# Altium PCB CameraControler0.5.PcbDoc (part 2 of 3)
Units mm, origin at the board's own origin, x right, y up, seen from the top; angles counter-clockwise.
Board outline 140 x 112 mm, 2 copper layers (Top Layer, Bottom Layer); 294 components, 219 nets, 919 pads, 337 vias.
Unrouted connection lines stored in the file: 194.
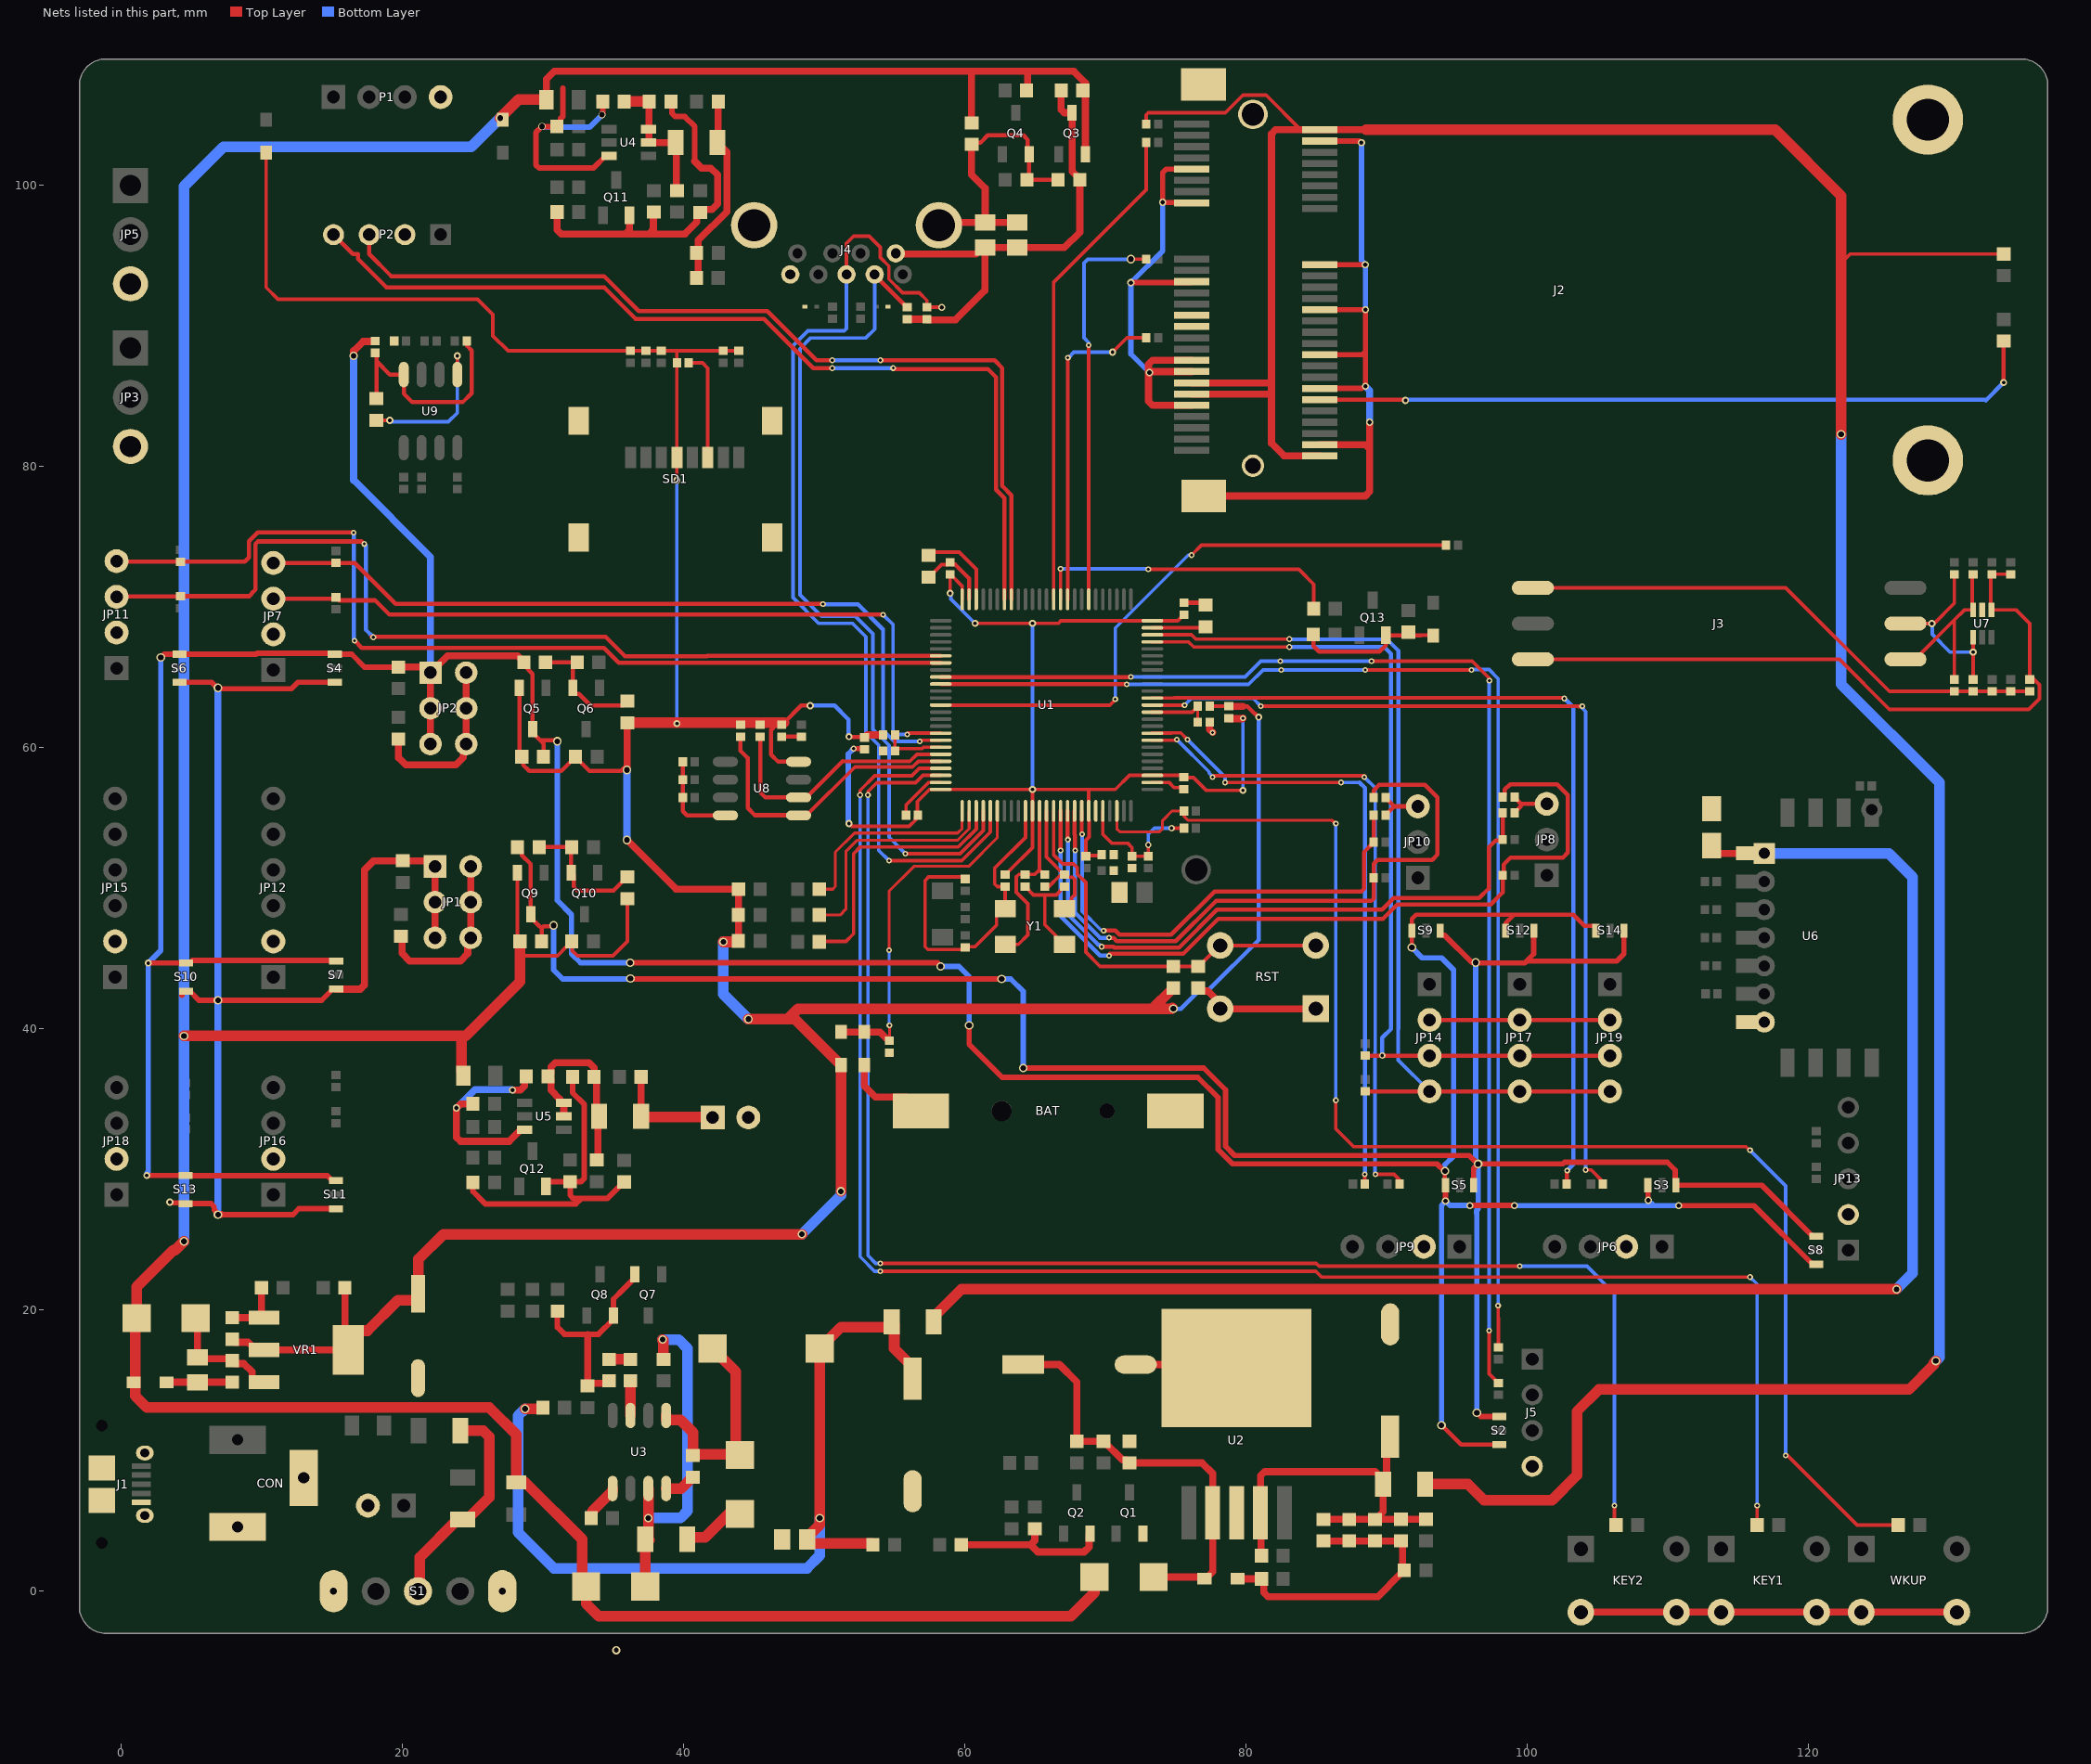
[diagram p2: the nets of this part, all layers, seen from the top]

## Via types
v1: diameter 0.406, hole 0.203, Top Layer to Bottom Layer, 143 vias
v2: diameter 0.6, hole 0.35, Top Layer to Bottom Layer, 60 vias
v3: diameter 0.61, hole 0.406, Top Layer to Bottom Layer, 42 vias
v4: diameter 0.508, hole 0.254, Top Layer to Bottom Layer, 33 vias
v5: diameter 0.457, hole 0.254, Top Layer to Bottom Layer, 26 vias
v6: diameter 0.508, hole 0.305, Top Layer to Bottom Layer, 20 vias
v7: diameter 0.406, hole 0.2, Top Layer to Bottom Layer, 7 vias
v8: diameter 4, hole 3, Top Layer to Bottom Layer, 4 vias
v9: diameter 0.508, hole 0.406, Top Layer to Bottom Layer, 2 vias

## Nets (pads, with @x,y where several pads share a name; then routed paths per layer and width w, separated by ;. In a path a pad name is that pad's centre, name@x,y a point inside that pad or via, vN(x,y) a via of type N, cw(c..) or ccw(c..) an arc to the next point about the centre after c; other vN are vias at no path point)
+3.3V_VCC: C18.1 C20.2 C21.1 C32.2 C50.1 D1.1 D3.1 LED1.A LED2.A LED3.A Q5.2 R2.1 R7.1 R9.1 R15.1 R16.1 R20.1 R21.1 R22.1 R23.1 R24.1 R42.2 R44.2 R123.1 R124.1 R126.2 SD1.4 U8.8 VR1.2 | length 268.5
  Top Layer w0.254: D3.1@10.287,102.325 10.287,92.744 11.134,91.897 25.324,91.897 26.416,90.805 26.416,89.302 27.485,88.233 R20.1@36.196,88.233 R22.1@38.396,88.233 39.496,88.233 ; v4(39.496,79.038) SD1.4@39.496,80.652 C18.1@39.496,87.383 39.496,88.233 ; R24.1@43.896,88.233 R23.1@42.796,88.233 39.496,88.233 ; R9.1@77.39,62.961 R15.1@78.74,62.961
  Top Layer w0.3: Q5.2@28.289,64.265 28.289,59.3 28.554,59.034 28.554,58.784 28.985,58.354 31.288,58.354 R42.2@32.279,59.345 ; R42.2@32.279,59.37 R42.2@32.279,59.345 ; v3@35.773,58.588 35.539,58.354 33.27,58.354 R42.2@32.279,59.345 ; 46.566,61.641 46.185,61.26 46.185,59.521 46.703,59.003 U8.8@48.15,59.003 ; C50.1@47.105,61.775 48.33,63 v4(48.979,63) ; v4(51.739,60.791) 51.767,60.763 52.804,60.763 R16.1@52.832,60.735
  Top Layer w0.305: v3@74.745,41.496 v3(74.803,41.438) ; 79.756,62.936 80.067,62.936 80.467,62.536 v4(80.873,62.177)
  Top Layer w0.5: C20.2@7.874,17.928 8.089,17.713 8.986,17.713 9.531,17.168 VR1.2@10.131,17.168 VR1.2@16.131,17.168 15.883,17.416 R126.2@15.883,21.59
  Top Layer w0.508: v3(35.948,53.436) 39.445,49.939 LED1.A@43.883,49.939 43.874,49.93 43.874,46.266 LED3.A@43.864,46.256 ; v3@35.955,58.434 35.955,61.76 C32.2@35.97,61.775 ; R16.1@52.832,60.735 52.857,60.735 53.036,60.914 R7.1@54.157,60.914 ; R15.1@78.74,62.961 78.765,62.936 79.756,62.936
  Top Layer w0.762: VR1.2@16.131,17.168 16.131,17.818 16.85,18.537 17.5,18.537 19.664,20.701 C21.1@20.832,20.701 ; C21.1@21.082,21.161 21.116,21.195 21.116,23.622 22.881,25.387 48.374,25.387 v3(48.387,25.4) ; C32.2@35.97,61.775 R124.1@45.29,61.775 ; v3(42.799,46.194) 43.802,46.194 LED3.A@43.864,46.256 ; v3(44.581,40.698) 47.371,40.698 ; R124.1@45.556,61.775 C50.1@47.105,61.775 ; v3(51.162,28.448) D1.1@51.162,37.428 51.162,37.513 51.128,37.547 51.043,37.547 47.892,40.698 47.371,40.698 ; R2.1@74.689,42.799 73.315,41.425 ; v3@74.745,41.496 74.673,41.425 73.315,41.425 ; 47.371,40.698 48.098,41.425 73.315,41.425
  Bottom Layer w0.254: v4(39.496,79.038) v4(39.497,61.722) v4(39.497,61.722)
  Bottom Layer w0.3: v4(48.979,63) 50.719,63 51.689,62.029 51.689,60.946 51.699,60.936 51.699,60.831 v4(51.739,60.791)
  Bottom Layer w0.305: v3(74.803,41.438) 75.347,41.438 76.708,42.799 77.343,42.799 80.873,46.329 v4(80.873,62.177)
  Bottom Layer w0.508: v3(35.941,58.42) 35.948,58.413 v3(35.948,53.436)
  Bottom Layer w0.762: v3(42.799,46.194) 42.799,42.48 v3(44.581,40.698) ; v3(48.387,25.4) 51.162,28.175 v3(51.162,28.448)
+3.3V_VCC_4G: J2.2 J2.39 J2.41 J2.52 R28.2 R72.2 R75.1 | length 234.4
  Top Layer w0.254: R75.1@72.886,104.361 72.886,105.023 73.035,105.171 78.501,105.171 79.756,106.426 81.402,106.426 83.867,103.961 ; 122.301,94.488 122.936,95.123 R72.2@133.858,95.123
  Top Layer w0.5: J2.41@76.117,85.161 81.717,85.161 81.788,85.09 ; J2.39@76.117,85.961 81.679,85.961 81.788,85.852 ; J2.52@85.217,80.761 82.677,80.761 81.788,81.65 81.788,85.09 ; 88.519,103.961 J2.2@85.217,103.961 83.867,103.961 82.081,103.961 81.788,103.668 81.788,85.852 ; 81.788,85.09 81.788,85.852
  Top Layer w0.762: 88.519,103.961 117.602,103.961 122.301,99.262 122.301,94.488 v3(122.301,82.296) ; R28.2@92.699,7.618 95.76,7.618 96.901,6.477 101.727,6.477 103.505,8.255 103.505,12.79 105.066,14.351 127.127,14.351 128.905,16.129 128.905,16.256 v3(129.032,16.383)
  Bottom Layer w0.762: v3(122.301,82.296) 122.301,64.516 129.286,57.531 129.286,16.637 v3(129.032,16.383)
+3.3V_VCC_OUT3.3: C36.2 JP2.1 JP2.3 JP2.5 Q5.3 R44.1 R54.2 R101.1 S2.1 S3.1 S4.1 S5.1 S6.1 S7.1 S8.1 S9.1 S10.1 S11.1 S12.1 S13.1 S14.1 | length 308.9
  Top Layer w0.254: v6(110.744,27.432) 110.998,27.432
  Top Layer w0.3: C36.2@28.613,66.084 28.613,65.873 29.239,65.248 Q5.3@29.239,61.315 29.239,61.065 29.782,60.522 29.797,60.522 ; R44.1@30.009,59.37 30.009,60.31 29.797,60.522 ; v3@30.835,60.522 29.797,60.522 ; v3(91.769,45.791) 91.771,45.794 91.771,46.988 S9.1@91.774,46.99 91.774,47.84 92.066,48.133 99.05,48.133 ; v3(93.875,11.811) 95.256,10.43 S2.1@97.99,10.43 ; v3(94.121,29.892) 94.121,28.921 S5.1@94.16,28.883 ; 98.441,47.498 98.441,47.524 99.05,48.133 ; S14.1@104.855,46.99 104.855,47.24 104.755,47.34 104.044,47.34 103.251,48.133 99.05,48.133
  Top Layer w0.381: v4(1.794,29.575) S13.1@4.552,29.575 4.57,29.558 14.643,29.558 14.99,29.211 S11.1@15.24,29.211 ; v4(1.905,44.688) S10.1@4.6,44.688 4.85,44.688 5.043,44.881 15.218,44.881 S7.1@15.268,44.831 ; v3(2.794,66.421) 3.032,66.659 S6.1@4.118,66.659 9.576,66.659 9.642,66.725 14.851,66.725 14.917,66.659 S4.1@15.167,66.659 16.369,66.659 17.286,65.742 R54.2@19.689,65.742 ; v3@30.835,60.522 30.929,60.522 v3(30.988,60.463) ; v3(36.167,44.704) 58.038,44.704 58.261,44.481 v3(58.261,44.453) ; v3(60.286,40.259) 60.286,38.901 62.624,36.563 76.543,36.563 77.982,35.125 77.982,31.429 79.014,30.397 93.554,30.397 94.06,29.892 v3(94.121,29.892) ; v6(94.16,27.76) S5.1@94.16,28.883 ; v6(95.885,27.441) 99.051,27.441 v6(99.06,27.432) ; S3.1@108.55,28.883 108.568,28.865 108.568,27.83 v6(108.585,27.813) ; 110.998,27.432 116.098,27.432 120.273,23.257 S8.1@120.523,23.257
  Top Layer w0.508: v3(16.51,87.884) 16.51,88.235 17.173,88.898 17.992,88.898 R101.1@18.038,88.944 ; R54.2@19.689,65.742 21.578,65.742 JP2.1@21.975,65.345 ; JP2.5@21.975,60.265 JP2.3@21.975,62.805 JP2.1@21.975,65.345 ; C36.2@28.613,66.084 28.613,66.109 28.171,66.551 23.182,66.551 JP2.1@21.975,65.345
  Bottom Layer w0.3: v3(94.121,29.892) 94.121,30.342 94.133,30.353
  Bottom Layer w0.381: v4(1.794,29.575) 1.818,29.599 1.818,29.758 1.905,29.845 v4(1.905,44.688) 2.794,45.577 v3(2.794,66.421) ; v3(30.988,60.463) 30.988,49.149 32.004,48.133 32.004,45.339 32.639,44.704 v3(36.167,44.704) ; v3@58.293,44.453 59.56,44.453 60.286,43.727 v3(60.286,40.259) ; v3(91.769,45.791) 92.501,45.059 93.875,45.059 94.742,44.192 94.742,30.962 94.133,30.353 ; v3(93.875,11.811) 93.875,27.441 94.16,27.726 v6(94.16,27.76) 94.479,27.441 v6(95.885,27.441) ; v6(99.06,27.432) 108.966,27.432 ; v6(108.585,27.813) 108.966,27.432 ; v6(110.744,27.432) 108.966,27.432
  Bottom Layer w0.508: v3(16.51,87.884) 16.51,79.038 21.975,73.573 JP2.1@21.975,65.345
+3.3V_VCC_WiFi: C44.1 R41.2 U6.1 | length 113.6
  Top Layer w0.5: C44.1@113.084,53.046 113.084,52.917 113.509,52.492 U6.1@115.683,52.492
  Top Layer w0.762: R41.2@57.751,19.158 57.751,19.493 59.74,21.482 v3(126.238,21.482)
  Bottom Layer w0.762: U6.1@116.828,52.488 125.693,52.488 127.381,50.8 127.381,22.625 v3(126.238,21.482)
+3.3V_VDD: C10.1 C11.1 C12.1 C13.1 C14.1 C15.1 R6.1 R15.2 R16.2 U1.11 U1.19 U1.28 U1.50 U1.75 U1.100 | length 89.3
  Top Layer w0.254: v4(51.739,54.61) 51.94,54.409 56.02,54.409 56.471,54.86 56.471,55.03 C10.1@56.603,55.162 ; C10.1@56.644,55.203 C10.1@56.603,55.162 ; v4(58.928,70.991) C15.1@58.928,72.346 58.953,72.346 59.784,71.515 59.784,70.563 U1.75@59.786,70.561 ; v4(60.707,68.854) v4(64.786,68.854) 66.63,68.854 66.811,69.036 U1.50@73.311,69.036 75.107,69.036 75.54,69.469 C14.1@75.565,69.469 ; C11.1@62.853,50.967 62.878,50.967 63.051,51.14 63.051,51.165 64.786,52.9 U1.11@64.786,55.511 v4(64.786,57.036) ; R6.1@68.58,52.285 68.639,52.344 R6.1@68.664,52.344 ; C12.1@69.704,52.403 69.645,52.344 R6.1@68.664,52.344 ; C13.1@75.432,58.038 73.313,58.038 U1.28@73.311,58.036 71.678,58.036 70.678,57.036 68.786,57.036 ; C13.1@75.54,57.91 75.579,57.871 76.246,57.871 77.142,56.975 v4(79.756,56.975) ; C10.1@56.603,55.162 56.603,56.176 57.463,57.036 U1.100@58.261,57.036 v4(64.786,57.036) ; v4(64.786,57.036) 68.786,57.036 ; R6.1@68.664,52.344 68.58,52.428 68.58,53.42 68.809,53.648 68.809,54.842 68.786,54.865 U1.19@68.786,55.511 68.786,57.036
  Top Layer w0.381: v1(52.068,59.942) 52.774,59.942 R16.2@52.832,59.885
  Top Layer w0.508: R15.2@78.74,62.111 78.786,62.065 79.718,62.065 v1(79.756,62.103)
  Bottom Layer w0.254: v4(58.928,70.991) 58.977,70.943 58.977,70.585 v4(60.707,68.854) ; v4(64.786,57.036) v4(64.786,68.854) ; v4(79.756,56.975) v1(79.756,62.103)
  Bottom Layer w0.381: v4(51.739,54.61) 51.689,54.66 51.689,59.556 52.068,59.936 v1(52.068,59.942)
+5V_VBAT: R25.2 R26.2 S1.2 | length 15.7
  Top Layer w0.762: S1.2@21.082,0 21.209,0.127 21.209,2.401 23.922,5.114 R26.2@24.257,5.114 24.592,5.114 26.162,6.684 26.162,10.984 25.716,11.43 R25.2@24.096,11.43
+5V_VBAT_IN: C29.2 C38.2 D4.1 D5.1 D6.2 D7.1 D10.1 F3.2 F4.2 F5.2 Q3.2 Q9.2 R35.2 R37.2 R55.2 R56.2 | length 295.6
  Top Layer w0.254: Q9.2@28.157,51.114 28.157,46.399 R56.2@28.337,46.219 R56.2@28.337,45.909 ; 28.337,45.6 28.734,45.203 31.012,45.203 31.665,45.856 31.69,45.856 R55.2@32.028,46.194 ; R55.2@32.028,46.219 R55.2@32.028,46.194 ; C38.2@35.973,49.267 35.973,46.219 34.957,45.203 32.425,45.203 32.028,45.6 R55.2@32.028,46.194
  Top Layer w0.5: F4.2@30.226,106.103 30.226,107.569 30.79,108.133 60.458,108.133 ; C29.2@60.458,104.458 60.458,108.133 ; R35.2@64.456,106.849 64.456,108.133 ; Q3.2@68.549,102.221 68.549,107.31 67.726,108.133 64.456,108.133 ; 60.458,108.133 64.456,108.133
  Top Layer w0.6: R35.2@64.371,106.763 R35.2@64.456,106.849
  Top Layer w0.762: D6.2@0.852,14.868 D6.2@0.929,14.868 ; v3(4.445,24.892) 3.81,24.257 3.683,24.257 1.075,21.649 D5.1@1.075,19.431 0.963,19.32 0.963,14.902 D6.2@0.929,14.868 ; v3(4.445,39.497) 24.187,39.497 ; F5.2@24.314,36.675 24.314,36.866 24.187,36.993 24.187,39.497 ; v3(26.924,104.792) 28.241,106.109 30.22,106.109 F4.2@30.226,106.103 ; F3.2@28.067,7.747 28.067,11.16 26.162,13.065 1.794,13.065 0.971,13.888 0.971,14.834 0.937,14.868 D6.2@0.929,14.868 ; R56.2@28.337,45.909 28.337,45.6 28.337,43.362 24.472,39.497 24.187,39.497 ; F3.2@28.702,7.747 32.754,3.695 32.754,0.636 D10.1@33.045,0.345 ; D10.1@33.043,0.345 33.043,-0.889 33.932,-1.778 67.508,-1.778 69.203,-0.083 D7.1@69.203,1.014
  Bottom Layer w0.762: v3(4.445,24.892) v3(4.445,39.497) 4.445,99.949 7.239,102.743 24.875,102.743 v3(26.924,104.792)
+5V_VCC_CAM: R57.2 R88.1 R89.1 R136.2 | length 13.7
  Top Layer w0.4: R57.2@42.39,103.053 R57.2@42.415,103.078 ; R136.2@42.415,105.949 R136.2@42.44,105.974
  Top Layer w0.5: R89.1@40.886,93.417 41.021,93.552 41.021,96.103 43.053,98.135 43.053,102.39 R57.2@42.39,103.053 ; R57.2@42.415,103.078 R136.2@42.415,105.949
+5V_VCC_OUT: JP4.1 R65.2 R137.2 | length 7.9
  Top Layer w0.5: R65.2@36.951,33.782 R137.2@36.951,36.588
  Top Layer w0.762: R65.2@36.951,33.782 36.992,33.741 42,33.741 JP4.1@42.041,33.7
+5V_VCC_OUT5: C41.2 JP1.1 JP1.3 JP1.5 Q9.3 R46.2 R56.1 S2.3 S3.3 S4.3 S5.3 S6.3 S7.3 S8.3 S9.3 S10.3 S11.3 S12.3 S13.3 S14.3 | length 263.3
  Top Layer w0.3: C41.2@28.157,52.933 28.472,52.618 28.472,52.359 29.107,51.724 Q9.3@29.107,48.164 29.107,47.914 29.651,47.371 29.665,47.371 29.877,47.159 ; R56.1@29.877,46.219 29.877,47.159 ; v3(30.734,47.371) 30.675,47.312 30.03,47.312 29.877,47.159
  Top Layer w0.381: v4(3.429,27.686) 3.463,27.686 3.515,27.635 4.493,27.635 S13.3@4.552,27.575 6.366,27.575 6.589,27.352 6.589,27.128 6.858,26.859 v3(6.858,26.797) ; S6.3@4.118,64.659 6.399,64.659 6.796,64.262 v3(6.858,64.262) ; 4.291,42.379 4.291,42.629 4.35,42.688 S10.3@4.6,42.688 4.85,42.688 5.501,42.037 v3(6.858,42.037) 14.224,42.037 15.018,42.831 S7.3@15.268,42.831 ; v3@7.061,64.202 12.08,64.202 12.537,64.659 S4.3@15.167,64.659 ; v3@7.112,26.797 12.192,26.797 12.606,27.211 S11.3@15.24,27.211 ; v3(36.195,43.586) 36.223,43.558 v3(62.594,43.558) ; v3(64.128,37.211) 76.962,37.211 78.515,35.658 78.515,31.65 79.164,31.001 95.846,31.001 96.45,30.397 v3(96.482,30.397) ; S9.3@93.773,46.99 93.773,46.74 93.833,46.68 94.083,46.68 96.037,44.726 v3(96.312,44.726) 96.347,44.691 99.793,44.691 99.933,44.831 ; S5.3@96.16,28.883 96.16,30.075 v3(96.482,30.397) ; v3(96.393,12.7) 96.663,12.43 S2.3@97.99,12.43 ; S12.3@100.441,46.99 100.441,45.339 99.933,44.831 ; S14.3@106.854,46.99 106.854,45.339 106.346,44.831 99.933,44.831 ; S8.3@120.523,25.257 120.273,25.257 116.647,28.883 S3.3@110.55,28.883 110.498,28.935 110.498,29.954 109.934,30.518 102.634,30.518 102.513,30.397 v3(96.482,30.397)
  Top Layer w0.508: v3(6.858,26.797) v3@7.112,26.797 ; S7.3@15.268,42.831 16.974,42.831 17.272,43.129 17.272,51.308 17.923,51.959 R46.2@20.007,51.959 21.896,51.959 JP1.1@22.293,51.562 JP1.3@22.293,49.022 JP1.5@22.293,46.482
  Bottom Layer w0.381: v3(30.734,47.371) 30.734,44.193 31.369,43.558 36.167,43.558 v3(36.195,43.586) ; v3(62.594,43.558) 63.246,43.558 64.128,42.676 v3(64.128,37.211) ; v3(96.312,44.726) 96.312,30.629 96.482,30.459 v3(96.482,30.397) 96.482,27.193 96.37,27.081 96.37,26.908 96.393,26.885 v3(96.393,12.7)
  Bottom Layer w0.508: v3(6.858,26.797) v3(6.858,42.037) v3(6.858,64.262)
+5V_VCC_USB: C30.2 C51.2 C52.2 J4.1 Q3.3 R37.1 R84.2 R125.2 | length 34.5
  Top Layer w0.254: R37.1@66.616,106.763 R37.1@66.616,107.117
  Top Layer w0.5: J4.1@55.062,95.171 55.114,95.119 60.79,95.119 61.263,95.592 C51.2@61.418,95.592 ; R84.2@55.88,90.485 R125.2@57.277,90.485 57.327,90.435 58.352,90.435 58.363,90.424 59.309,90.424 61.418,92.533 C51.2@61.418,95.592 ; R37.1@66.829,106.763 66.829,105.405 67.062,105.171 Q3.3@67.599,105.171 67.599,100.985 C30.2@68.156,100.427 ; C30.2@68.156,100.402 68.156,96.686 67.062,95.592 C52.2@63.704,95.592 C51.2@61.418,95.592
ADC_CH1: R100.2 R132.1 U1.15 | length 58.4
  Top Layer w0.3: v7(66.786,52.705) U1.15@66.786,55.511 ; v1@70.286,45.339 75.491,45.339 77.993,47.84 89.709,47.84 90.732,48.863 97.388,48.863 98.226,49.701 R100.2@98.226,50.929 98.298,51.001 98.298,51.704 98.793,52.199 102.519,52.199 102.861,52.541 102.861,56.644 102.099,57.406 98.757,57.406 98.376,57.025 98.376,56.64 R132.1@98.226,56.49
  Bottom Layer w0.3: v7(66.786,52.705) 66.786,48.022 69.596,45.212 v1(70.231,45.212)
ADC_CH2: R103.2 R104.1 U1.16 | length 46.1
  Top Layer w0.3: U1.16@67.286,55.511 67.286,53.745 67.29,53.741 67.29,53.487 v7(67.31,53.467) ; v7(69.704,45.848) 70.542,45.848 70.599,45.791 75.216,45.791 77.913,48.488 89.662,48.488 90.49,49.316 96.563,49.316 97.233,49.986 97.233,52.91 97.741,53.418 98.175,53.418 R103.2@98.226,53.469 R104.1@98.226,55.374
  Bottom Layer w0.3: v7(67.31,53.467) 67.31,48.138 69.471,45.976 69.547,45.976 69.675,45.848 v7(69.704,45.848)
ADC_CH3: R106.2 R107.1 U1.17 | length 47.5
  Top Layer w0.3: U1.17@67.786,55.511 67.786,53.847 67.818,53.815 v7(67.818,52.705) ; v7(70.231,46.487) 70.251,46.467 70.563,46.467 70.786,46.244 74.973,46.244 77.83,49.101 88.883,49.101 89.058,49.277 R106.2@89.058,50.752 89.058,51.745 89.335,52.022 93.21,52.022 93.591,52.403 93.591,56.467 92.702,57.356 89.439,57.356 89.058,56.975 R107.1@89.058,56.467 R107.1@89.058,56.442
  Bottom Layer w0.3: v7(67.818,52.705) 67.818,48.27 69.606,46.482 70.226,46.482 v7(70.231,46.487)
ADC_CH4: R108.2 R109.1 U1.18 | length 34.5
  Top Layer w0.254: U1.18@68.286,55.511 68.286,53.929 68.326,53.889 v7(68.326,53.848)
  Top Layer w0.3: v7(69.85,46.99) 69.853,46.99 69.855,46.993 70.677,46.993 70.973,46.696 74.648,46.696 77.731,49.78 88.179,49.78 88.384,49.986 88.384,52.593 89.058,53.267 R108.2@89.058,53.292 89.058,55.172 R109.1@89.058,55.197
  Bottom Layer w0.254: v7@68.286,53.862 68.326,53.822 68.326,48.369 69.626,47.069
BOOT0: R7.2 R8.1 U1.94 | length 4.5
  Top Layer w0.254: R7.2@55.007,60.914 R8.1@55.007,59.775 55.174,59.942 56.942,59.942 57.035,60.036 U1.94@58.261,60.036
BOOT1: R9.2 R10.1 U1.37 | length 4.5
  Top Layer w0.203: R10.1@76.54,61.818 76.54,62.936 R9.2@76.54,62.961
  Top Layer w0.254: U1.37@73.311,62.536 76.14,62.536 R9.2@76.54,62.936
Cam_Connect: J4.8 R84.1 U1.4 | length 61.1
  Top Layer w0.254: v1(55.753,52.466) 59.647,52.466 61.286,54.104 U1.4@61.286,55.511
  Top Layer w0.3: J4.8@53.562,93.671 53.562,93.628 55.855,91.335 R84.1@55.88,91.335
  Bottom Layer w0.254: J4.8@53.562,93.671 53.562,89.779 52.937,89.154 49.022,89.154 48.26,88.392 48.26,70.886 49.784,69.362 52.189,69.362 53.445,68.106 53.445,61.305 54.582,60.168 54.582,53.637 v1(55.753,52.466)
Cam_TakePhoto: J4.7 R125.1 U1.5 | length 71.1
  Top Layer w0.254: J4.7@51.562,93.671 51.562,95.885 52.07,96.393 53.174,96.393 53.975,95.592 53.975,94.869 54.576,94.268 54.576,93.343 55.558,92.361 56.737,92.361 57.277,91.821 R125.1@57.277,91.335 v6(58.341,91.335) ; v1(54.587,51.966) 59.755,51.966 61.786,53.997 U1.5@61.786,55.511
  Bottom Layer w0.254: J4.7@51.562,93.671 51.562,89.814 51.41,89.662 48.812,89.662 47.752,88.602 47.752,70.676 49.574,68.854 51.978,68.854 52.937,67.896 52.937,61.095 53.848,60.184 53.848,52.705 v1(54.587,51.966)
EC25_DTR: R80.1 U1.60 | length 23.4
  Top Layer w0.254: U1.60@67.286,70.561 67.286,87.733 v1(67.31,87.757) ; v4(70.485,88.138) 71.508,89.161 R80.1@72.886,89.161
  Bottom Layer w0.254: v1(67.31,87.757) 67.351,87.757 67.732,88.138 v4(70.485,88.138)
EC25_PERST#: R73.1 U1.61 | length 22.4
  Top Layer w0.254: U1.61@66.786,70.561 v1(66.786,72.732) ; v1(73.025,72.691) 83.721,72.691 84.784,71.628 R73.1@84.784,69.886
  Bottom Layer w0.254: v1(66.786,72.732) 72.771,72.732 72.783,72.72 72.996,72.72 v1(73.025,72.691)
EC25_RI: R81.1 U1.57 | length 29.7
  Top Layer w0.254: U1.57@68.786,70.561 v1(68.786,88.646) 68.786,87.561 ; v3(71.786,94.761) R81.1@72.886,94.761
  Bottom Layer w0.254: v1(68.786,88.646) 68.786,88.821 68.453,89.154 68.453,94.488 68.707,94.742 71.755,94.742 71.774,94.761 v3(71.786,94.761)
EC25_W_DISABLE: R83.2 U1.88 | length 43.6
  Top Layer w0.254: U1.88@58.261,63.036 70.28,63.036 70.677,63.433 v1(70.677,63.457) ; v1(76.095,73.704) 76.813,74.422 R83.2@94.19,74.422
  Bottom Layer w0.254: v1(70.677,63.457) 70.677,68.518 75.863,73.704 v1(76.095,73.704)
EC25_WAKE#: R82.1 U1.62 | length 35.2
  Top Layer w0.254: U1.62@66.286,70.561 66.286,93.088 72.886,99.688 R82.1@72.886,103.053
GND: BAT.2 C1.1 C2.2 C3.1 C4.1 C5.2 C6.1 C7.2 C8.1 C9.1 C10.2 C11.2 C12.2 C13.2 C14.2 C15.2 C16.2 C17.2 C18.2 C19.1 C20.1 C21.2 C22.1 C23.2 C24.1 C25.2 C26.1 C27.1 C28.1 C29.1 C30.1 C32.1 C33.2 C34.2 C35.1 C36.1 C38.1 C40.1 C41.1 C43.1 C44.2 C45.1 C46.1 C47.1 C48.1 C49.1 C50.2 C51.1 C52.1 C53.2 C54.1 CON.2 CON.3 D6.1 D9.1 D11.1 D13.1 D14.2 D15.2 J1.5 J1.Shell J2.4 J2.9 J2.15 J2.18 J2.21 J2.26 J2.27 J2.29 J2.34 J2.35 J2.37 J2.40 J2.43 J2.50 J2.53 J2.54 J2.MH1 J2.MH2 J2.MH3 J2.MH4 J3.4 J4.5 J4.Shell J5.4 JP1.2 JP1.4 JP1.6 JP2.2 JP2.4 JP2.6 JP3.3 JP4.2 JP5.3 JP6.2 JP7.2 JP8.3 JP9.2 JP10.3 JP11.2 JP12.2 JP13.2 JP14.2 JP15.2 JP16.2 JP17.2 JP18.2 JP19.2 JP20.2 KEY1.2 KEY2.2 LED11.K LED12.K LED13.K LED14.K LED15.K LED16.K LED18.K P1.4 P2.2 Q1.2 Q2.2 Q4.2 Q6.2 Q7.2 Q8.2 Q10.2 Q11.2 Q12.2 Q13.2 R8.2 R10.2 R31.1 R33.1 R38.1 R39.1 R47.1 R49.1 R51.2 R52.1 R53.1 R61.2 R62.1 R64.2 R69.2 R71.2 R74.2 R85.2 R86.2 R87.2 R90.2 R104.2 R107.2 R109.2 R122.1 R132.2 RST.1 S1.0 SD1.6 SD1.9 SD1.10 SD1.11 SD1.12 U1.10 U1.20 U1.27 U1.74 U1.99 U2.0 U2.3 U3.5 U6.7 U7.2 U8.4 U9.5 VR1.1 WKUP.2 Y1.2 Y1.4 | length 456
  Top Layer w0.254: C53.2@18.126,83.296 v4(19.082,83.296) ; U9.5@23.88,86.547 v4(23.88,87.884) ; C18.2@40.346,87.383 41.315,87.383 41.696,87.002 SD1.6@41.696,80.652 ; C10.2@55.753,55.203 55.794,55.245 55.794,55.942 57.386,57.534 58.259,57.534 U1.99@58.261,57.536 ; C4.1@57.404,72.136 57.429,72.136 58.316,73.023 58.755,73.023 C15.2@58.928,73.196 ; C16.2@60.001,50.664 59.857,50.808 57.404,50.808 57.15,50.554 57.15,45.848 57.35,45.648 59.85,45.648 C17.2@60.001,45.799 60.05,45.848 60.707,45.848 62.23,47.371 62.23,48.081 62.703,48.554 Y1.4@62.853,48.554 C11.2@62.853,50.117 62.294,50.117 62.103,50.308 62.103,51.435 64.286,53.618 U1.10@64.286,55.511 ; C2.2@64.258,50.117 64.283,50.117 64.863,49.538 65.664,49.538 ; Y1.2@67.069,46.014 66.919,46.014 66.446,46.487 66.446,46.637 65.664,47.42 65.664,49.538 ; C5.2@67.069,50.117 67.044,50.117 66.465,49.538 65.664,49.538 ; U1.27@73.311,57.536 74.49,57.536 74.859,57.167 75.509,57.167 C13.2@75.565,57.111 ; 92.412,68.001 93.268,68.001 D13.1@93.301,67.968 ; J3.4@100.373,71.374 118.364,71.374 125.73,64.008 C47.1@130.346,64.008 C48.1@131.688,64.008 C49.1@133.026,64.008 ; C49.1@133.03,64.008 C46.1@135.714,64.008
  Top Layer w0.3: C41.1@29.697,52.933 R62.1@32.028,52.933 31.975,52.88 Q10.2@31.975,51.114 32.15,50.939 32.15,50.124 32.425,49.849 34.99,49.849 35.948,50.807 C38.1@35.973,50.807 ; C36.1@30.153,66.084 R49.1@32.406,66.084 32.099,65.777 Q6.2@32.099,64.265 32.099,64.015 32.274,63.84 32.524,63.84 33.365,63 35.655,63 C32.1@35.97,63.315 ; R85.2@39.918,59.003 R86.2@39.918,57.733 R87.2@39.918,56.463 39.918,55.491 40.216,55.193 U8.4@42.95,55.193 ; C50.2@46.947,60.791 R122.1@48.344,60.791 ; C15.2@58.928,73.196 59.078,73.046 59.281,73.046 60.286,72.041 U1.74@60.286,70.561 ; C29.1@60.458,102.918 60.593,103.053 61.093,103.053 61.601,103.561 64.141,103.561 64.456,103.246 64.456,102.316 Q4.2@64.551,102.221 R39.1@64.551,100.575 ; R39.1@64.522,100.547 R39.1@64.551,100.575 ; C30.1@66.616,100.402 64.724,100.402 R39.1@64.551,100.575 ; C14.2@75.565,70.319 76.926,70.319 C3.1@77.089,70.156 ; R74.2@84.765,68.061 84.765,67.246 85.173,66.838 89.464,66.838 89.933,67.307 Q13.2@89.933,68.001 92.412,68.001 ; R109.2@89.908,55.197 89.908,55.222 90.518,55.832 ; R107.2@89.908,56.467 89.908,56.442 90.518,55.832 ; JP10.3@92.194,55.832 90.518,55.832 ; JP14.2@93.027,40.64 JP17.2@99.441,40.64 JP19.2@105.855,40.64 ; R104.2@99.076,55.374 99.076,55.399 99.532,55.855 99.532,56.009 ; R132.2@99.076,56.49 99.076,56.465 99.532,56.009 ; JP8.3@101.34,56.031 JP8.3@101.362,56.009 99.532,56.009
  Top Layer w0.381: v6(71.786,93.088) J2.21@76.044,93.088 ; v6@74.041,99.034 74.041,100.906 74.295,101.161 J2.9@76.117,101.161 ; 74.295,98.779 76.098,98.779 J2.15@76.117,98.761 ; J2.40@85.217,85.561 88.184,85.561 ; J2.34@85.217,87.961 88.252,87.961 88.475,88.184 ; J2.26@85.217,91.161 v6(88.475,91.161) 88.475,88.184 ; J2.18@85.217,94.361 v6(88.456,94.361) ; J2.4@85.217,103.161 88.042,103.161 88.15,103.053 v6(88.184,103.053) ; v6@88.475,85.852 88.475,88.184
  Top Layer w0.4: R71.2@24.986,29.083 24.986,28.448 25.875,27.559 32.305,27.559 32.686,27.94 ; Q12.2@30.19,28.801 30.19,28.994 30.34,29.144 R69.2@31.903,29.144 ; R52.1@31.007,19.923 31.007,18.777 31.496,18.288 33.917,18.288 34.986,19.357 Q8.2@34.986,19.607 34.986,20.782 35.686,21.482 35.69,21.482 36.515,22.307 Q7.2@36.515,22.557 ; C43.1@32.07,36.588 32.07,35.467 32.92,34.617 32.92,29.378 32.686,29.144 R69.2@31.903,29.144 ; LED14.K@35.751,29.116 35.726,29.116 34.55,27.94 32.686,27.94 ; C40.1@39.069,105.974 39.151,105.892 39.151,105.136 39.385,104.902 40.059,104.902 40.765,104.196 40.765,101.727 ; R69.2@31.903,29.144 31.903,28.174 32.137,27.94 32.686,27.94
  Top Layer w0.5: LED16.K@19.689,60.63 19.689,59.3 20.205,58.784 23.778,58.784 24.305,59.311 24.305,60.054 JP2.6@24.515,60.265 JP2.4@24.515,62.805 JP2.2@24.515,65.345 ; LED15.K@19.88,46.593 19.951,46.522 19.951,45.378 20.498,44.831 24.101,44.831 24.622,45.353 24.622,46.272 JP1.6@24.833,46.482 JP1.4@24.833,49.022 JP1.2@24.833,51.562 ; R47.1@33.147,14.605 33.147,18.253 ; C1.1@76.581,42.913 76.796,42.698 77.242,42.698 78.515,41.425 RST.1@85.315,41.425 ; R10.2@77.39,61.818 77.39,61.294 v1(77.597,61.087) ; KEY2.2@103.788,-1.488 KEY2.2@110.588,-1.488 KEY1.2@113.757,-1.488 KEY1.2@120.557,-1.488 WKUP.2@123.727,-1.488 WKUP.2@130.527,-1.488
  Top Layer w0.508: D6.1@3.212,14.868 C19.1@7.874,14.868 ; C20.1@7.874,19.468 VR1.1@10.131,19.468 9.954,19.645 LED18.K@9.954,21.59 ; R64.2@30.978,98.1 30.978,96.848 31.276,96.55 35.837,96.55 ; R47.1@33.147,14.605 33.325,14.783 34.493,14.783 R53.1@34.671,14.962 ; Q11.2@36.135,97.886 36.135,96.848 35.837,96.55 ; R61.2@37.852,98.1 37.824,98.072 37.824,96.873 37.501,96.55 ; 40.765,101.727 41.257,101.235 41.91,101.235 42.39,100.755 42.39,98.679 42.006,98.295 41.365,98.295 LED13.K@41.154,98.084 ; LED13.K@40.918,97.873 40.918,97.404 40.064,96.55 37.501,96.55 ; J4.Shell@58.132,97.171 58.333,97.372 C51.1@61.418,97.372 ; LED12.K@59.722,3.302 64.655,3.302 ; C29.1@60.458,102.918 60.458,100.766 61.418,99.806 C51.1@61.418,97.372 ; C52.1@63.704,97.372 C51.1@61.418,97.372 ; R38.1@64.953,4.443 64.953,3.6 64.655,3.302 ; Q2.2@68.89,4.098 68.819,4.027 68.819,3.16 68.453,2.794 65.163,2.794 64.655,3.302 ; C23.2@72.128,16.127 79.05,16.127 U2.0@79.304,15.873 ; J2.43@76.117,84.361 73.332,84.361 73.035,84.659 v6@73.035,86.614 ; J2.37@76.117,86.761 73.182,86.761 v6(73.108,86.687) v6@73.035,86.614 ; J2.35@76.117,87.561 73.332,87.561 73.035,87.263 v6@73.035,86.614 ; J2.54@76.967,77.911 88.456,77.911 88.773,78.228 88.773,81.263 ; D9.1@79.378,0.887 R33.1@81.074,0.887 81.236,0.725 81.236,-0.083 81.534,-0.381 89.358,-0.381 90.99,1.251 91.015,1.251 91.226,1.462 LED11.K@91.226,1.487 91.107,1.606 91.107,3.463 R31.1@90.988,3.582 90.986,3.579 85.473,3.579 C26.1@85.471,3.577 ; J2.50@85.217,81.561 88.475,81.561 88.773,81.263 ; v6(88.773,83.161) 88.773,81.263 ; 35.837,96.55 37.501,96.55
  Top Layer w0.762: R51.2@33.393,5.207 33.477,5.291 33.477,5.695 34.925,7.143 U3.5@34.925,7.306 ; C33.2@40.615,3.838 41.506,3.838 D11.1@43.688,6.02
  Bottom Layer w0.254: v4(19.082,83.296) 19.193,83.185 23.245,83.185 23.88,83.82 v4(23.88,87.884)
  Bottom Layer w0.381: v6(73.108,86.687) 71.786,88.01 v6(71.786,93.088) 74.041,95.343 v6(74.041,98.806) ; v6(88.184,103.053) 88.184,94.666 88.456,94.395 v6(88.456,94.361) 88.465,94.351 88.465,91.171 v6(88.475,91.161)
  Bottom Layer w0.508: v6(88.475,85.725) 88.773,85.427 v6(88.773,83.161)
  other v2: 35.179,-4.191
I2C1_SCL: R124.2 U1.95 U8.6 | length 18.2
  Top Layer w0.254: 51.271,59.034 56.058,59.034 56.56,59.536 U1.95@58.261,59.536
  Top Layer w0.3: R124.2@45.423,60.791 45.423,56.844 45.804,56.463 U8.6@48.15,56.463 48.7,56.463 51.271,59.034
I2C1_SDA: R123.2 U1.96 U8.5 | length 20.8
  Top Layer w0.254: U8.5@48.727,55.193 52.162,58.628 56.259,58.628 56.667,59.036 U1.96@58.261,59.036
  Top Layer w0.3: R123.2@44.026,60.791 44.026,59.775 44.534,59.267 44.534,55.711 45.042,55.203 48.14,55.203 U8.5@48.15,55.193 U8.5@48.727,55.193
I2C2_SCL: JP14.3 JP17.3 JP19.3 R114.2 U1.47 | length 63.6
  Top Layer w0.254: U1.47@73.311,67.536 73.736,67.536 75.888,67.536 76.255,67.169 v1(83.058,67.169)
  Top Layer w0.3: R114.2@88.456,38.1 v5(89.662,38.1) JP14.3@93.027,38.1 JP17.3@99.441,38.1 JP19.3@105.855,38.1
  Bottom Layer w0.3: v1(83.058,67.169) 83.072,67.183 89.789,67.183 90.297,66.675 90.297,40.005 89.662,39.37 v5(89.662,38.1)
I2C2_SDA: JP14.4 JP17.4 JP19.4 R116.2 U1.48 | length 67.6
  Top Layer w0.254: U1.48@73.311,68.036 76.095,68.036 76.403,67.728 v1(83.058,67.728)
  Top Layer w0.3: R116.2@88.456,35.56 JP14.4@93.027,35.56 JP17.4@99.441,35.56 JP19.4@105.855,35.56
  Bottom Layer w0.254: v1(83.058,67.728) 83.072,67.714 90.009,67.714 90.805,66.918 ; 90.805,40.005 90.805,37.782 JP14.4@93.027,35.56
  Bottom Layer w0.3: 90.805,40.005 90.805,66.918
I2C_SCL_OLED: R97.2 U1.84 | length 90.4
  Top Layer w0.254: v1(88.9,66.167) 96.063,66.167 97.282,64.948 v1(97.282,64.77) ; v1(97.269,18.542) 97.269,15.468 R97.2@97.917,14.82
  Top Layer w0.3: U1.84@58.261,65.036 v1(71.786,65.036)
  Bottom Layer w0.254: v1(71.786,65.036) 79.895,65.036 81.026,66.167 v1(82.423,66.167) v1(88.9,66.167) ; v1(97.269,18.542) 97.269,64.757 v1(97.282,64.77)
I2C_SCL_S1: JP7.3 R98.2 U1.92 | length 56.1
  Top Layer w0.254: v1(55.88,60.946) 55.97,61.036 U1.92@58.261,61.036
  Top Layer w0.3: JP7.3@10.795,70.612 R98.2@15.328,70.612 ; R98.2@15.24,70.7 R98.2@15.328,70.612 ; v1(54.157,69.469) 19.05,69.469 18.034,70.485 15.455,70.485 R98.2@15.328,70.612
  Bottom Layer w0.254: v1(54.157,69.469) 54.876,68.75 54.876,61.117 55.047,60.946 v1(55.88,60.946)
I2C_SCL_S2: JP11.3 R110.2 U1.81 | length 69.2
  Top Layer w0.3: JP11.3@-0.254,70.739 -0.232,70.761 4.169,70.761 R110.2@4.191,70.783 9.095,70.783 9.271,70.959 9.271,70.993 9.525,71.247 9.525,74.5 9.701,74.676 17.096,74.676 v1(17.272,74.5) ; v1@17.78,67.889 34.425,67.889 35.793,66.521 41.622,66.521 41.637,66.536 U1.81@58.261,66.536 ; v1(17.907,67.862) 17.987,67.862 v1@18.014,67.889
  Bottom Layer w0.3: v1(17.272,74.5) 17.367,74.405 17.367,68.402 v1(17.907,67.862)
I2C_SDA_OLED: R96.2 U1.85 | length 87.9
  Top Layer w0.254: v1(88.456,65.536) v1(96.012,65.536) ; v1(97.904,20.32) 97.904,19.444 97.917,19.431 R96.2@97.917,17.36
  Top Layer w0.3: U1.85@58.261,64.536 71.453,64.536 v1(71.483,64.507)
  Bottom Layer w0.254: v1(71.483,64.507) 80.156,64.507 81.185,65.536 v1(82.477,65.536) v1(88.456,65.536) ; v1(96.012,65.536) 96.034,65.558 97.26,65.558 97.904,64.914 v1(97.904,20.32)
I2C_SDA_S1: JP7.4 R99.2 U1.93 | length 57
  Top Layer w0.254: v1(56.769,60.452) 56.853,60.536 U1.93@58.261,60.536
  Top Layer w0.3: JP7.4@10.795,73.152 R99.2@15.24,73.152 16.578,73.152 19.499,70.231 v1(49.886,70.231)
  Bottom Layer w0.254: 54.157,68.434 54.157,61.261 54.955,60.463 56.758,60.463 v1(56.769,60.452)
  Bottom Layer w0.3: v1(49.886,70.231) 49.906,70.211 52.38,70.211 54.157,68.434
I2C_SDA_S2: JP11.4 R111.2 U1.82 | length 68.3
  Top Layer w0.3: JP11.4@-0.254,73.279 -0.21,73.235 R111.2@4.191,73.235 8.763,73.235 9.073,73.545 9.073,74.688 9.696,75.311 v1@16.454,75.311 ; v1(16.578,67.62) 17.09,67.108 34.305,67.108 35.359,66.054 58.243,66.054 U1.82@58.261,66.036
  Bottom Layer w0.3: v1(16.51,75.311) 16.51,67.716 16.578,67.649 v1(16.578,67.62)
IO1_IN: R112.2 U1.33 | length 47.4
  Top Layer w0.254: U1.33@73.311,60.536 75.014,60.536 v1(75.057,60.579) ; v1(77.597,57.912) 77.699,58.014 88.394,58.014 v1(88.394,57.92) ; v1(89.181,29.662) 90.493,29.662 90.861,29.294 90.861,28.981 R112.2@90.886,28.956 R112.2@90.886,29.185
  Bottom Layer w0.254: v1(75.057,60.579) 77.343,58.293 77.343,58.207 77.597,57.953 v1(77.597,57.912) ; v1(88.394,57.92) 89.163,57.15 89.163,38.32 89.154,38.31 89.154,29.689 v1(89.181,29.662)
IO1_OUT: R102.2 U1.38 | length 65.6
  Top Layer w0.254: U1.38@73.311,63.036 v1(75.601,63.036) ; v1(81.026,62.961) 103.607,62.961 103.632,62.936 ; v1(104.14,29.972) 104.513,29.972 105.359,29.126 R102.2@105.359,28.956
  Bottom Layer w0.254: v1(75.601,63.036) 76.073,63.508 80.479,63.508 v1(81.026,62.961) ; v1(103.886,62.961) 103.886,62.834 104.14,62.58 v1(104.14,29.972)
IO2_IN: R113.2 U1.34 | length 45.2
  Top Layer w0.254: U1.34@73.311,61.036 74.676,61.036 74.702,61.062 75.336,61.062 v1(75.819,60.579) ; v1(78.486,57.531) v1(86.741,57.531) ; R113.2@88.429,28.956 v1(88.429,29.662)
  Bottom Layer w0.254: v1(75.819,60.579) 78.486,57.912 v1(78.486,57.531) ; v1(86.741,57.531) 88.048,57.531
  Bottom Layer w0.3: 88.048,57.531 88.429,57.15 v1(88.429,29.662)
IO2_OUT: R105.2 U1.39 | length 64.2
  Top Layer w0.254: U1.39@73.311,63.536 74.859,63.536 74.888,63.565 82.465,63.565 82.477,63.553 102.507,63.553 v1@102.519,63.565
  Top Layer w0.3: R105.2@102.78,28.956 102.78,29.892 v1(102.82,29.932)
  Bottom Layer w0.3: v1(102.616,63.508) 103.251,62.873 103.251,30.362 v1(102.82,29.932)
KEY1: R18.1 U1.97 | length 121.3
  Top Layer w0.254: v1(52.527,56.642) 52.527,56.968 53.573,58.014 56.219,58.014 56.742,58.536 U1.97@58.261,58.536 ; v1(53.957,22.77) 84.934,22.77 85.352,22.352 v1(115.824,22.352) ; R18.1@116.324,4.699 v1(116.324,6.096)
  Bottom Layer w0.254: v1(52.527,56.642) 52.527,23.798 53.555,22.77 v1(53.957,22.77) ; v1(115.824,22.352) 116.324,21.852 v1(116.324,6.096)
KEY2: R19.1 U1.98 | length 109.4
  Top Layer w0.254: v1(53.086,56.642) 53.086,56.89 53.713,57.517 56.469,57.517 56.988,58.036 U1.98@58.261,58.036 ; v1(53.957,23.329) 84.95,23.329 85.165,23.114 v1(99.441,23.114) ; v1(106.172,6.096) 106.172,4.818 R19.1@106.291,4.699
  Bottom Layer w0.254: v1(53.086,56.642) 53.086,23.876 53.633,23.329 v1(53.957,23.329) ; v1(99.441,23.114) 104.222,23.114 106.172,21.164 v1(106.172,6.096)
KEY_WKUP: R1.1 R17.1 U1.23 | length 103.2
  Top Layer w0.203: U1.23@70.786,55.511 70.786,54.233 70.991,54.028 73.818,54.028 74.041,54.251 74.041,54.827 74.725,55.511 R1.1@75.565,55.511 75.565,55.119 75.832,54.852 86.072,54.852 86.136,54.788
  Top Layer w0.254: 86.136,54.788 86.319,54.605 v1(86.36,54.605) ; v1(86.36,34.925) 86.36,32.893 87.63,31.623 115.529,31.623 115.783,31.369 v1(115.824,31.369) v1@115.824,31.33 ; v1(118.364,9.652) 118.491,9.652 123.444,4.699 R17.1@126.357,4.699
  Bottom Layer w0.254: v1(86.36,34.925) v1(86.36,54.605) ; v1(115.824,31.369) 118.364,28.829 v1(118.364,9.652)
LED1: R12.1 U1.1 | length 14.6
  Top Layer w0.203: R12.1@49.622,49.939 50.589,49.939 50.766,50.117 50.766,52.577 52.126,53.936 59.469,53.936 59.786,54.253 U1.1@59.786,55.511
LED2: R13.1 U1.2 | length 16.9
  Top Layer w0.203: R13.1@49.622,48.098 51.099,48.098 51.515,48.514 51.515,52.618 52.333,53.436 59.472,53.436 60.286,54.251 U1.2@60.286,55.511
LED3: R14.1 U1.3 | length 19.1
  Top Layer w0.254: R14.1@49.622,46.194 49.647,46.219 51.515,46.219 52.07,46.774 52.07,52.466 52.553,52.949 59.523,52.949 60.786,54.212 U1.3@60.786,55.511
LED_WWAN#: J2.42 LED10.K | length 52.1
  Top Layer w0.3: J2.42@85.217,84.761 91.261,84.761 v4(91.313,84.709) ; v4(133.858,85.979) LED10.K@133.858,88.928
  Bottom Layer w0.3: v4@91.313,84.761 132.588,84.761 ; 132.588,84.709 v4(133.858,85.979)
LOG_RXD: P2.4 U1.69 | length 67.5
  Top Layer w0.3: P2.4@15.072,96.501 16.454,95.119 16.804,95.119 16.804,94.784 18.844,92.744 34.328,92.744 36.567,90.505 45.703,90.505 49.201,87.007 50.544,87.007 v1(50.546,87.005) ; v1@54.876,86.953 61.594,86.953 62.187,86.36 62.187,78.355 62.786,77.756 U1.69@62.786,70.561
  Bottom Layer w0.3: v1(50.546,87.005) 50.547,87.006 54.874,87.006 v1(54.876,87.007)
LOG_TXD: P2.3 U1.68 | length 66.5
  Top Layer w0.3: P2.3@17.612,96.501 17.612,95.119 19.179,93.552 34.303,93.552 36.796,91.059 45.932,91.059 49.431,87.561 50.544,87.561 v1(50.546,87.563) ; v1(53.975,87.563) 62.091,87.563 62.64,87.015 62.64,78.61 63.28,77.969 63.28,70.567 U1.68@63.286,70.561
  Bottom Layer w0.3: v1(50.546,87.563) v1(53.975,87.563)
NetBAT_1: BAT.1 D2.1 | length 6.2
  Top Layer w0.5: D2.1@52.832,37.428 52.832,35.941 53.61,35.163 55.842,35.163 BAT.1@56.842,34.163
NetC1_2: C1.2 R2.2 RST.2 U1.14 | length 29.2
  Top Layer w0.254: U1.14@66.286,55.511 66.286,52.403 66.947,51.742 67.7,51.742 67.976,51.466 67.976,51.019 68.58,50.415 68.58,45.466 69.593,44.453 R2.2@74.803,44.453 C1.2@76.581,44.453 76.606,44.453 78.078,45.925 78.515,45.925 RST.2@85.315,45.925
NetC2_1: C2.1 R3.2 U1.12 Y1.1 | length 13
  Top Layer w0.254: Y1.1@62.853,46.014 63.786,46.014 64.46,46.688 64.46,48.895 63.627,49.728 63.627,50.808 63.817,50.998 64.227,50.998 C2.1@64.258,50.967 64.289,50.998 64.964,50.998 65.286,51.32 ; U1.12@65.286,55.511 65.286,51.32 ; R3.2@65.664,50.967 65.639,50.967 65.286,51.32
NetC3_2: C3.2 U1.49 | length 3.8
  Top Layer w0.254: U1.49@73.311,68.536 77.009,68.536 C3.2@77.089,68.616
NetC4_2: C4.2 U1.73 | length 6.1
  Top Layer w0.254: C4.2@57.404,73.676 57.642,73.914 59.563,73.914 60.786,72.691 U1.73@60.786,70.561
NetC5_1: C5.1 R3.1 U1.13 Y1.3 | length 10.1
  Top Layer w0.203: C5.1@66.786,50.967 C5.1@67.044,50.967 ; Y1.3@67.069,48.554 Y1.3@67.564,49.049
  Top Layer w0.254: R3.1@65.664,50.117 65.936,50.117 C5.1@66.786,50.967 ; U1.13@65.786,55.511 65.786,52.225 67.044,50.967 C5.1@67.069,50.967 67.242,50.794 67.626,50.794 67.786,50.634 67.786,49.941 67.786,49.538 67.564,49.316 Y1.3@67.564,49.049
NetC6_2: C6.2 R4.1 R5.1 U1.21 | length 10.2
  Top Layer w0.254: U1.21@69.786,55.511 69.786,53.84 70.413,53.213 71.552,53.213 71.865,52.9 C6.2@71.865,52.285 R4.1@73.025,52.285 v5(73.025,53.086) ; v5(74.676,54.273) R5.1@75.565,54.273
  Bottom Layer w0.254: v5(73.025,53.086) 73.025,53.848 73.45,54.273 v5(74.676,54.273)
NetC7_1: C7.1 D1.2 D2.2 U1.6 | length 25.5
  Top Layer w0.203: C7.1@54.582,39.163 54.61,39.191 v1(54.61,40.259) ; v1(54.582,45.6) 54.582,49.789 56.355,51.562 60.252,51.562 62.286,53.596 U1.6@62.286,55.511
  Top Layer w0.5: D1.2@51.162,39.788 D2.2@52.832,39.788 53.957,39.788 C7.1@54.582,39.163
  Bottom Layer w0.203: v1(54.582,45.6) 54.582,40.287 v1(54.61,40.259)
NetC19_2: C19.2 C22.2 D5.2 VR1.3 | length 8.6
  Top Layer w0.5: D5.2@5.275,19.431 5.402,19.304 C22.2@5.402,16.648 5.522,16.528 7.754,16.528 C19.2@7.874,16.408 8.089,16.193 8.699,16.193 9.281,15.611 9.281,15.118 9.531,14.868 VR1.3@10.131,14.868
NetC23_1: C23.1 C24.2 D7.2 D9.2 R29.2 R32.2 U2.2 | length 30.6
  Top Layer w0.508: C23.1@64.128,16.127 66.701,16.127 67.94,14.888 R32.2@67.94,10.666 R29.2@69.84,10.666 69.865,10.666 71.194,9.337 71.473,9.337 C24.2@71.684,9.126 76.853,9.126 77.604,8.375 U2.2@77.604,5.573 77.604,1.388 77.103,0.887 D9.2@77.018,0.887 76.891,1.014 D7.2@73.403,1.014
NetC25_1: C25.1 C26.2 C27.2 C28.2 R27.2 R28.1 R30.2 R31.2 U2.4 | length 28.7
  Top Layer w0.508: R30.2@81.074,2.538 81.039,2.573 81.039,5.538 U2.4@81.004,5.573 81.004,8.211 81.302,8.509 89.163,8.509 89.719,7.953 R28.1@89.719,7.618 ; C26.2@85.471,5.117 85.473,5.119 C28.2@89.154,5.119 ; C28.2@89.154,5.117 89.179,5.117 C28.2@89.181,5.119 ; C25.1@90.226,10.984 89.973,10.731 89.973,7.871 R28.1@89.719,7.618 ; R27.2@92.766,5.122 92.764,5.119 C28.2@89.181,5.119 ; C28.2@89.181,5.119 89.719,5.658 R28.1@89.719,7.618
NetC31_1: C31.1 U3.8 | length 2.2
  Top Layer w0.762: U3.8@38.735,7.306 39.801,7.306 40.615,8.12 C31.1@40.64,8.12
NetC31_2: C31.2 D11.2 L1.2 U3.1 | length 15.2
  Top Layer w0.762: U3.1@38.735,12.506 38.735,12.223 38.766,12.192 39.751,12.192 40.64,11.303 C31.2@40.64,9.66 40.724,9.744 43.212,9.744 43.688,10.22 43.688,15.621 L1.2@42.037,17.272
NetC33_1: C33.1 D10.2 R45.1 U3.7 | length 25.1
  Top Layer w0.762: D10.2@37.245,0.345 C33.1@37.245,3.695 ; U3.7@37.465,7.306 v3(37.465,5.207) 37.465,3.714 C33.1@37.544,3.635 ; v3(38.481,17.907) 38.522,17.866 38.522,16.527 R45.1@38.547,16.502
  Bottom Layer w0.762: v3(37.465,5.207) 39.751,5.207 40.259,5.715 40.259,17.272 39.624,17.907 v3(38.481,17.907)
NetC34_1: C34.1 C35.2 L1.1 R40.2 R41.1 R43.2 | length 65.4
  Top Layer w0.762: v3(28.702,12.981) 29.88,12.981 R40.2@29.964,13.065 29.972,13.057 29.964,13.049 R40.2@29.972,13.041 ; R43.2@53.445,3.302 53.445,3.327 53.361,3.411 48.968,3.411 48.769,3.61 C35.2@48.769,3.683 48.769,3.838 49.657,4.726 v3(49.657,5.207) L1.1@49.657,17.272 51.162,18.777 54.587,18.777 54.771,18.961 R41.1@54.771,19.158 54.955,18.974 54.955,17.269 56.261,15.963 C34.1@56.261,15.113
  Bottom Layer w0.762: v3(28.702,12.981) 28.194,12.473 28.194,4.191 30.749,1.636 48.753,1.636 49.657,2.54 v3(49.657,5.207)
NetC37_1: C37.1 R53.2 | length 1.5
  Top Layer w0.762: R53.2@34.671,16.502 C37.1@36.195,16.502
NetC37_2: C37.2 U3.3 | length 2.5
  Top Layer w0.762: U3.3@36.195,12.506 C37.2@36.195,14.962
NetC39_1: C39.1 C40.2 R57.1 R60.2 U4.2 U4.3 | length 10.1
  Top Layer w0.5: U4.2@37.474,103.053 R57.1@39.41,103.053 39.456,103.006 39.456,99.686 R60.2@39.503,99.64 ; U4.2@37.501,103.08 C40.2@37.501,105.946
  Top Layer w0.762: C39.1@35.759,105.974 C40.2@37.529,105.974 C40.2@37.501,105.946
NetC39_2: C39.2 R59.1 U4.6 | length 18.5
  Top Layer w0.4: 31.375,106.934 31.375,104.902 31.235,104.762 31.235,104.461 R59.1@30.97,104.196 v9(29.906,104.196) 29.47,103.76 29.47,101.473 29.708,101.235 33.556,101.235 34.424,102.103 U4.6@34.674,102.103 ; C39.2@33.954,106.239 C39.2@34.219,105.974 34.219,105.079 v9(34.169,105.029)
  Bottom Layer w0.4: v9(29.906,104.196) 29.962,104.14 33.28,104.14 v9(34.169,105.029)
NetC42_1: C42.1 C43.2 R65.1 R67.2 U5.2 U5.3 | length 14.3
  Top Layer w0.5: U5.2@31.457,33.782 U5.3@31.457,34.732 31.207,34.732 31.157,34.782 31.157,35.032 30.542,35.647 30.542,36.402 C42.1@30.327,36.617 30.542,36.832 30.542,37.299 30.835,37.592 33.252,37.592 33.61,37.234 C43.2@33.61,36.588 33.79,36.408 33.79,33.962 R65.1@33.971,33.782 33.889,33.7 33.889,30.766 R67.2@33.808,30.684
NetC42_2: C42.2 R68.1 U5.6 | length 14.9
  Top Layer w0.5: R68.1@24.986,34.671 24.116,34.671 v6(23.823,34.378) 23.823,32.297 24.116,32.004 27.579,32.004 28.407,32.832 U5.6@28.657,32.832 ; v6(27.805,35.647) 27.806,35.649 28.365,35.649 28.657,35.941 28.657,36.487 C42.2@28.787,36.617
  Bottom Layer w0.5: v6(23.823,34.378) 25.132,35.687 27.765,35.687 v6(27.805,35.647)
NetC46_2: C46.2 J3.6 R76.1 R79.2 U7.1 | length 50.6
  Top Layer w0.254: J3.6@100.373,66.294 122.174,66.294 125.73,62.738 135.636,62.738 136.398,63.5 136.398,64.477 135.934,64.941 135.714,64.941 C46.2@135.753,64.98 ; U7.1@132.94,69.953 132.94,72.26 R79.2@133.026,72.346 R76.1@134.366,72.346 ; U7.1@132.984,69.804 134.747,69.804 135.714,68.837 C46.2@135.714,64.858
NetC47_2: C47.2 J3.3 R78.2 U7.3 | length 12.9
  Top Layer w0.254: J3.3@126.873,66.294 127.554,66.294 130.346,69.086 ; C47.2@130.346,64.858 130.346,69.086 ; U7.3@131.622,69.935 131.622,72.282 R78.2@131.686,72.346 ; U7.3@131.684,69.804 131.064,69.804 130.346,69.086
NetC48_2: C48.2 J3.2 R77.2 U7.4 | length 13.4
  Top Layer w0.254: J3.2@126.873,68.834 v4(128.754,68.834) 128.907,68.834 130.346,70.273 R77.2@130.346,72.346 ; U7.4@131.684,67.864 131.685,67.863 v4(131.685,66.802) 131.685,64.859 C48.2@131.686,64.858
  Bottom Layer w0.254: v4(128.754,68.834) 128.778,68.81 128.778,68.072 130.048,66.802 v4(131.685,66.802)
NetC53_1: C53.1 R92.2 R101.2 U9.8 | length 16.1
  Top Layer w0.3: C53.1@18.126,84.836 18.126,87.503 ; R101.2@18.126,88.089 18.126,87.503 ; R92.2@24.559,88.939 24.559,88.602 24.896,88.265 24.896,85.217 24.261,84.582 20.685,84.582 20.07,85.197 U9.8@20.07,86.547 19.082,86.547 18.126,87.503